# Altium PCB Zenit Stand PCB_3.PcbDoc (part 2 of 2)
Units mm, origin at the board's own origin, x right, y up, seen from the top; angles counter-clockwise.
Board outline 134.2 x 91.97 mm, 2 copper layers (Top Layer, Bottom Layer); 137 components, 111 nets, 457 pads, 78 vias.
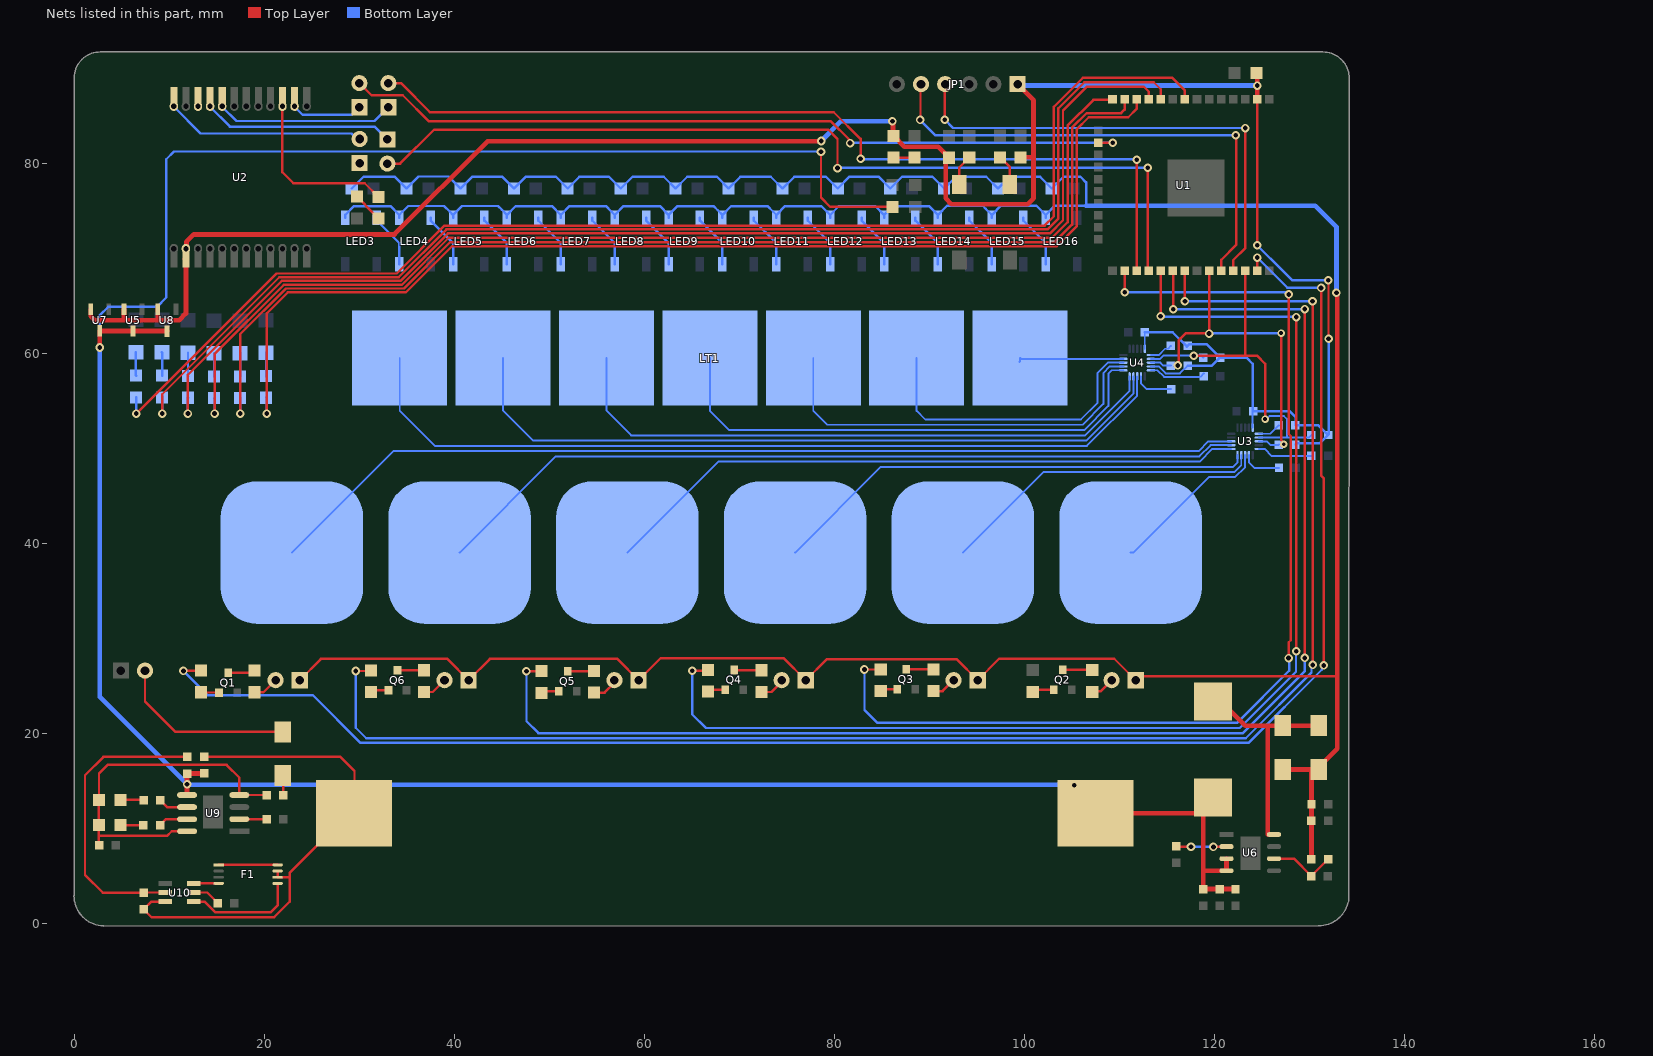
[diagram p2: the nets of this part, all layers, seen from the top]

## Via types
v1: diameter 0.9, hole 0.5, Top Layer to Bottom Layer, tented both sides, 75 vias
v2: diameter 0.8, hole 0.4, Top Layer to Bottom Layer, tented both sides, 3 vias

## Nets (pads, with @x,y where several pads share a name; then routed paths per layer and width w, separated by ;. In a path a pad name is that pad's centre, name@x,y a point inside that pad or via, vN(x,y) a via of type N, cw(c..) or ccw(c..) an arc to the next point about the centre after c; other vN are vias at no path point) (continued)
LED2: R20.2 U1.26 | length 113
  Top Layer w0.254: v1(83.147,26.772) 84.843,26.772 R20.2@84.861,26.791 ; v1(110.528,66.459) 110.528,68.713 U1.26@110.515,68.726 U1.26@110.528,68.739 ; v1(127.775,27.972) 127.775,29.635 127.997,29.858 127.997,51.34 127.794,51.543 v1(127.794,66.243)
  Bottom Layer w0.254: v1(83.147,26.772) 83.147,22.511 84.504,21.153 122.347,21.153 127.851,26.657 127.851,27.896 v1(127.775,27.972) ; v1(110.528,66.459) 127.403,66.459 127.619,66.243 v1(127.794,66.243)
LED3: R22.2 U1.29 | length 129.3
  Top Layer w0.254: v1(65.03,26.638) 66.586,26.638 R22.2@66.688,26.74 ; v1(114.3,63.951) 114.329,63.979 U1.29@114.329,68.723 ; v1(128.575,28.683) 128.584,28.692 128.584,63.852 v1(128.594,63.862)
  Bottom Layer w0.254: v1(65.03,26.638) 65.03,22.054 66.469,20.615 122.634,20.615 128.556,26.537 128.556,28.664 v1(128.575,28.683) ; v1(114.3,63.951) 114.344,63.906 128.549,63.906 v1(128.594,63.862)
LED4: R34.2 U1.30 | length 148.1
  Top Layer w0.254: v1(47.581,26.581) 49.162,26.581 R34.2@49.181,26.6 ; v1(115.646,64.668) 115.646,68.675 U1.30@115.595,68.726 U1.30@115.659,68.79 ; v1(129.464,27.991) v1(129.464,64.7)
  Bottom Layer w0.254: v1(47.581,26.581) 47.581,21.33 48.833,20.077 122.966,20.077 129.464,26.575 v1(129.464,27.991) ; v1(115.646,64.668) 115.662,64.684 129.448,64.684 v1(129.464,64.7)
LED5: 1.2@31.242,26.683 U1.31 | length 167.2
  Top Layer w0.254: v1(29.623,26.613) 31.172,26.613 1.2@31.242,26.683 ; v1@116.865,65.532 U1.31@116.865,68.726 ; v1(130.289,65.513) 130.308,65.494 v1(130.308,27.254)
  Bottom Layer w0.254: v1(29.623,26.613) 29.623,20.644 30.728,19.539 123.261,19.539 130.185,26.463 130.185,27.131 v1(130.308,27.254) ; v1(116.872,65.526) 116.878,65.519 130.283,65.519 v1(130.289,65.513)
LED6: R16.2 U1.37 | length 177.8
  Top Layer w0.254: v1(11.481,26.626) 13.303,26.626 R16.2@13.341,26.664 ; v1(124.479,70.117) 124.479,68.732 U1.37@124.485,68.726 ; v1(131.197,66.929) 131.197,47.179 131.464,46.913 v1(131.464,27.203)
  Bottom Layer w0.254: v1(11.481,26.626) 14.034,24.073 25.089,24.073 30.112,19.05 123.571,19.05 131.261,26.74 131.261,26.825 131.464,27.029 v1(131.464,27.203) ; v1(124.479,70.117) 127.649,66.947 131.179,66.947 v1(131.197,66.929)
LED_Room1: R40.1 U1.8 | length 134.9
  Top Layer w0.254: v1(6.528,53.702) 21.273,68.447 33.928,68.447 38.97,73.489 102.108,73.489 103.08,74.46 103.08,85.992 106.108,89.021 115.557,89.021 116.865,87.713 U1.8@116.865,86.76
  Bottom Layer w0.254: R40.1@6.515,55.404 6.528,55.391 v1(6.528,53.702)
LED_Room2: R39.1 U1.10 | length 130.6
  Top Layer w0.254: v1(9.252,53.702) 9.252,55.734 21.565,68.047 ; 21.565,68.05 21.58,68.066 34.138,68.066 39.16,73.088 102.419,73.088 103.549,74.219 103.549,85.827 106.286,88.563 113.589,88.563 114.325,87.827 U1.10@114.325,86.76
  Bottom Layer w0.254: R39.1@9.249,55.404 9.252,55.401 v1@9.252,53.715
LED_Room3: R38.1 U1.11 | length 127.2
  Top Layer w0.254: v1(11.957,53.702) 11.957,57.795 21.828,67.666 34.321,67.666 39.312,72.657 102.654,72.657 104.038,74.041 104.038,85.598 106.553,88.113 112.535,88.113 113.055,87.592 U1.11@113.055,86.76
  Bottom Layer w0.254: v1@11.957,53.746 11.957,55.339 R38.1@11.984,55.366
LED_Room4: R37.1 U1.14 | length 119.3
  Top Layer w0.254: v1(14.764,53.702) 14.764,59.976 22.054,67.266 34.474,67.266 39.408,72.2 102.883,72.2 104.521,73.838 104.521,83.998 107.232,86.709 U1.14@109.245,86.709
  Bottom Layer w0.254: R37.1@14.718,55.327 14.764,55.282 v1@14.764,53.81
LED_Room5: R35.1 U1.13 | length 119.8
  Top Layer w0.254: v1(17.469,53.702) 17.469,62.07 22.26,66.862 34.686,66.862 39.567,71.742 103.149,71.742 104.997,73.59 104.997,83.788 106.534,85.325 110.153,85.325 110.515,85.687 U1.13@110.515,86.76
  Bottom Layer w0.254: R35.1@17.452,55.327 17.469,55.311 v1@17.469,53.759
LED_Room6: R33.1 U1.12 | length 119.6
  Top Layer w0.254: v1(20.256,53.702) 20.256,64.243 22.479,66.465 34.906,66.465 39.745,71.304 103.384,71.304 105.474,73.393 105.474,83.61 106.75,84.887 110.903,84.887 111.785,85.769 U1.12@111.785,86.76
  Bottom Layer w0.254: R33.1@20.187,55.366 20.256,55.296 v1@20.256,53.746
LinearPad1: LT1.1 U4.14 | length 11.3
  Bottom Layer w0.2: LT1.1@99.44,59.135 99.442,59.137 99.515,59.209 99.517,59.311 LT1.1@99.521,59.538 ; LT1.1@99.598,59.461 U4.14@110.395,59.461
  Bottom Layer w0.254: LT1.1@99.521,59.538 LT1.1@99.598,59.461
LinearPad2: LT1.2 U4.13 | length 32
  Bottom Layer w0.2: LT1.2@88.642,59.538 88.642,53.979 89.541,53.08 105.931,53.08 107.683,54.832 107.683,57.988 108.756,59.061 U4.13@110.395,59.061
LinearPad3: LT1.3 U4.12 | length 43.2
  Bottom Layer w0.2: LT1.3@77.762,59.538 77.762,54.013 79.25,52.525 106.1,52.525 108.287,54.712 108.287,57.969 108.979,58.661 U4.12@110.395,58.661
LinearPad4: LT1.4 U4.11 | length 54.5
  Bottom Layer w0.2: LT1.4@66.882,59.538 66.882,54.009 68.92,51.971 106.27,51.971 108.807,54.508 108.807,57.88 109.188,58.261 U4.11@110.395,58.261
LinearPad5: LT1.5 U4.10 | length 65.1
  Bottom Layer w0.2: LT1.5@56.003,59.538 56.003,53.998 58.584,51.417 106.357,51.417 111.045,56.105 U4.10@111.045,57.611
LinearPad6: LT1.6 U4.9 | length 77
  Bottom Layer w0.2: LT1.6@45.123,59.538 45.123,54.026 48.287,50.862 106.495,50.862 111.445,55.812 U4.9@111.445,57.611
LinearPad7: LT1.7 U4.8 | length 88.9
  Bottom Layer w0.2: LT1.7@34.243,59.538 34.243,54.009 37.944,50.308 106.55,50.308 111.845,55.603 U4.8@111.845,57.611
Net1_1: 1.1@31.242,24.397 Q6.1 | length 1.7
  Top Layer w0.254: 1.1@31.242,24.397 31.445,24.6 Q6.1@32.868,24.6
NetC7_2: C7.2 L2.1 L3.1 R26.2 U9.4 U9.8 | length 37.5
  Top Layer w0.254: C7.2@2.584,8.172 2.584,9.258 ; L3.1@2.584,13.043 L2.1@2.584,10.395 2.584,9.258 ; L3.1@2.597,13.056 2.597,15.824 3.512,16.739 16.021,16.739 17.364,15.396 U9.4@17.364,13.565 20.205,13.565 R26.2@20.231,13.538 ; U9.8@11.864,9.755 10.25,9.755 9.754,9.258 2.584,9.258
NetC8_1: C8.1 R27.1 U10.5 | length 31.3
  Top Layer w0.254: U10.5@9.586,3.304 7.308,3.304 C8.1@7.295,3.291 2.995,3.291 1.13,5.156 1.13,15.64 3.061,17.571 R27.1@11.874,17.571
NetC26_2: C26.2 U3.5 | length 5.9
  Bottom Layer w0.2: U3.5@124.646,49.981 125.279,49.981 126.028,49.232 130.15,49.232 C26.2@130.181,49.263
NetC27_2: C27.2 U4.5 | length 6
  Bottom Layer w0.2: U4.5@113.295,58.261 113.97,58.261 114.668,57.563 118.404,57.563 118.421,57.58 118.521,57.58 C27.2@118.866,57.925
NetF1_1: F1.1 F1.8 | length 6.2
  Top Layer w0.254: F1.1@15.188,6.217 F1.8@21.388,6.217
NetF1_4: F1.4 U10.3 | length 2.6
  Top Layer w0.254: U10.3@12.586,4.254 12.592,4.26 15.182,4.26 F1.4@15.188,4.267
NetF1_5: F1.5 U10.1 | length 11.9
  Top Layer w0.254: U10.1@12.586,2.354 13.689,2.354 14.803,1.24 20.681,1.24 21.392,1.951 21.392,4.263 F1.5@21.388,4.267
NetL1_2: L1.2 S1.1 S2.1 U6.8 | length 23.6
  Top Layer w0.254: U6.8@125.589,9.411 U6.8@126.244,9.411
  Top Layer w0.5: L1.2@120.612,23.44 123.204,20.848 125.589,20.848 ; U6.8@125.589,9.411 125.589,20.848 ; S2.1@131.015,20.848 125.589,20.848
NetL2_2: L2.2 R29.2 | length 2.4
  Top Layer w0.254: L2.2@4.87,10.395 R29.2@7.277,10.395
NetL3_2: L3.2 R30.2 | length 2.4
  Top Layer w0.254: L3.2@4.883,13.056 7.252,13.056 R30.2@7.29,13.018
NetLED1_2: LED1.2 R5.1 | length 2.2
  Top Layer w0.254: LED1.2@86.22,80.631 88.391,80.631 R5.1@88.398,80.639
NetLED2_1: LED2.1 R6.2 | length 3.3
  Top Layer w0.254: LED2.1@29.731,76.53 31.502,74.759 31.502,74.721 R6.2@32.01,74.213
NetLED3_2: LED3.2 LED4.4 | length 5.9
  Bottom Layer w0.254: LED3.2@31.819,74.312 31.819,74.012 34.188,71.643 LED4.4@34.188,69.412
NetLED4_2: LED4.2 LED5.4 | length 5.9
  Bottom Layer w0.254: LED4.2@37.488,74.312 37.488,74.012 39.857,71.643 LED5.4@39.857,69.412
NetLED5_2: LED5.2 LED6.4 | length 5.9
  Bottom Layer w0.254: LED5.2@43.157,74.312 43.157,74.012 45.526,71.643 LED6.4@45.526,69.412
NetLED6_2: LED6.2 LED7.4 | length 5.9
  Bottom Layer w0.254: LED6.2@48.826,74.312 48.826,74.012 51.195,71.643 LED7.4@51.195,69.412
NetLED7_2: LED7.2 LED8.4 | length 5.9
  Bottom Layer w0.254: LED7.2@54.495,74.312 54.495,74.012 56.865,71.643 LED8.4@56.865,69.412
NetLED8_2: LED8.2 LED9.4 | length 5.9
  Bottom Layer w0.254: LED8.2@60.165,74.312 60.165,74.012 62.534,71.643 LED9.4@62.534,69.412
NetLED9_2: LED9.2 LED10.4 | length 5.9
  Bottom Layer w0.254: LED9.2@65.834,74.312 65.834,74.012 68.203,71.643 LED10.4@68.203,69.412
NetLED10_2: LED10.2 LED11.4 | length 5.9
  Bottom Layer w0.254: LED10.2@71.503,74.312 71.503,74.012 73.872,71.643 LED11.4@73.872,69.412
NetLED11_2: LED11.2 LED12.4 | length 5.9
  Bottom Layer w0.254: LED11.2@77.172,74.312 77.172,74.012 79.541,71.643 LED12.4@79.541,69.412
NetLED12_2: LED12.2 LED13.4 | length 5.9
  Bottom Layer w0.254: LED12.2@82.841,74.312 82.841,74.012 85.21,71.643 LED13.4@85.21,69.412
NetLED13_2: LED13.2 LED14.4 | length 5.9
  Bottom Layer w0.254: LED13.2@88.51,74.312 88.51,74.012 90.88,71.643 LED14.4@90.88,69.412
NetLED14_2: LED14.2 LED15.4 | length 5.9
  Bottom Layer w0.254: LED14.2@94.18,74.312 94.18,74.012 96.549,71.643 LED15.4@96.549,69.412
NetLED15_2: LED15.2 LED16.4 | length 5.9
  Bottom Layer w0.254: LED15.2@99.849,74.312 99.849,74.012 102.218,71.643 LED16.4@102.218,69.412
NetLED17_2: KEY6.2 R15.1 | length 2.7
  Top Layer w0.254: R15.1@18.974,24.378 19.907,24.378 KEY6.2@21.177,25.648
NetLED18_2: KEY1.2 R17.1 | length 2.6
  Top Layer w0.254: R17.1@107.112,24.416 107.166,24.47 107.979,24.47 KEY1.2@109.157,25.648
NetLED19_2: KEY2.2 R19.1 | length 2.6
  Top Layer w0.254: R19.1@90.418,24.498 91.37,24.498 KEY2.2@92.52,25.648
NetLED20_2: KEY3.2 R21.1 | length 2.8
  Top Layer w0.254: R21.1@72.238,24.409 73.368,24.409 74.428,25.47 KEY3.2@74.428,25.648
NetLED21_2: KEY4.2 R32.1 | length 2.9
  Top Layer w0.254: R32.1@54.684,24.339 55.797,24.339 56.839,25.381 KEY4.2@56.839,25.648
NetLED22_1: 1.1@20.187,60.103 R33.2 | length 2.5
  Bottom Layer w0.254: R33.2@20.187,57.652 1.1@20.187,60.103
NetLED23_1: 2.1 R35.2 | length 2.5
  Bottom Layer w0.254: 2.1@17.446,60.065 17.446,57.62 R35.2@17.452,57.613
NetLED24_2: KEY5.2 R36.1 | length 2.7
  Top Layer w0.254: R36.1@36.786,24.409 37.719,24.409 KEY5.2@38.957,25.648
NetLED25_1: 3.1 R37.2 | length 2.5
  Bottom Layer w0.254: 3.1@14.705,60.065 14.718,60.052 R37.2@14.718,57.613
NetLED26_1: 4.1 R38.2 | length 2.5
  Bottom Layer w0.254: 4.1@11.965,60.103 11.965,57.671 R38.2@11.984,57.652
NetLED27_1: 5.1 R39.2 | length 2.5
  Bottom Layer w0.254: 5.1@9.224,60.141 9.249,60.116 R39.2@9.249,57.69
NetLED28_1: 6.1 R40.2 | length 2.5
  Bottom Layer w0.254: 6.1@6.483,60.141 6.483,57.721 R40.2@6.515,57.69
NetQ1_1: Q1.1 R16.1 | length 1.9
  Top Layer w0.254: R16.1@13.341,24.378 13.37,24.349 Q1.1@15.23,24.349
NetQ1_3: Q1.3 R15.2 | length 2.9
  Top Layer w0.254: Q1.3@16.18,26.449 18.76,26.449 R15.2@18.974,26.664
NetQ2_1: Q2.1 R18.1 | length 2.3
  Top Layer w0.254: R18.1@100.857,24.416 101.07,24.629 Q2.1@103.044,24.629
NetQ2_3: Q2.3 R17.2 | length 3.1
  Top Layer w0.254: Q2.3@103.994,26.729 107.085,26.729 R17.2@107.112,26.702
NetQ3_1: Q3.1 R20.1 | length 1.8
  Top Layer w0.254: R20.1@85.046,24.46 85.29,24.705 Q3.1@86.775,24.705
NetQ3_3: Q3.3 R19.2 | length 2.7
  Top Layer w0.254: Q3.3@87.725,26.805 90.397,26.805 R19.2@90.418,26.784
NetQ4_1: Q4.1 R22.1 | length 1.7
  Top Layer w0.254: R22.1@66.853,24.447 67.028,24.622 Q4.1@68.481,24.622
NetQ4_3: Q4.3 R21.2 | length 2.7
  Top Layer w0.254: Q4.3@69.52,26.71 72.224,26.71 R21.2@72.238,26.695
NetQ5_1: Q5.1 R34.1 | length 1.9
  Top Layer w0.254: R34.1@49.181,24.314 49.362,24.495 Q5.1@50.974,24.495
NetQ5_3: Q5.3 R32.2 | length 2.8
  Top Layer w0.254: Q5.3@51.924,26.595 54.654,26.595 R32.2@54.684,26.625
NetQ6_3: Q6.3 R36.2 | length 2.8
  Top Layer w0.254: Q6.3@34.011,26.691 36.781,26.691 R36.2@36.786,26.695
NetR3_1: R3.1 SW1.1 | length 3.3
  Top Layer w0.254: R3.1@97.422,80.664 98.443,79.643 SW1.1@98.443,77.815
NetR4_1: R4.1 SW2.1 | length 3.3
  Top Layer w0.254: SW2.1@93.109,77.815 93.109,79.577 R4.1@94.171,80.639
NetR6_1: R6.1 U2.B10 | length 18.1
  Top Layer w0.254: U2.B10@21.907,86.05 21.895,86.038 21.895,79.102 23.057,77.94 30.569,77.94 R6.1@32.01,76.499
NetR7_2: R7.2 U3.1 | length 2.5
  Bottom Layer w0.2: U3.1@124.646,51.581 125.863,51.581 R7.2@126.746,52.464
NetR8_1: R8.1 U4.1 | length 2.5
  Bottom Layer w0.2: U4.1@113.295,59.861 114.103,59.861 114.77,60.529 115.101,60.529 R8.1@115.392,60.82
NetR13_1: R13.1 U3.7 | length 4.2
  Bottom Layer w0.2: U3.7@123.596,49.331 123.596,48.559 124.161,47.993 R13.1@126.765,47.993
NetR14_2: R14.2 U4.7 | length 4.2
  Bottom Layer w0.2: U4.7@112.245,57.611 112.235,57.602 112.235,56.895 112.23,56.89 112.84,56.28 R14.2@115.418,56.28
NetR23_1: R23.1 R25.2 U6.6 | length 7.2
  Top Layer w0.254: U6.6@126.244,6.871 128.327,6.871 R25.2@130.162,5.036 131.61,6.483 131.61,6.502 R23.1@131.928,6.82
NetR24_2: R24.2 U6.2 | length 5.3
  Top Layer w0.254: R24.2@115.945,8.109 117.494,8.109 v1(117.507,8.122) ; v1(119.863,8.103) 119.882,8.122 121.225,8.122 U6.2@121.244,8.141
  Bottom Layer w0.254: v1(117.507,8.122) 117.516,8.112 119.853,8.112 v1(119.863,8.103)
NetR26_1: R26.1 S3.2 | length 2.1
  Top Layer w0.254: S3.2@21.927,15.613 21.984,15.556 R26.1@21.984,13.538
NetR28_2: R28.2 U9.2 | length 2.9
  Top Layer w0.254: U9.2@17.364,11.025 20.217,11.025 R28.2@20.231,11.011
NetR29_1: R29.1 U9.7 | length 3.1
  Top Layer w0.254: R29.1@9.03,10.395 9.66,11.025 U9.7@11.864,11.025
NetR30_1: R30.1 U9.6 | length 3.1
  Top Layer w0.254: R30.1@9.042,13.018 9.765,12.295 U9.6@11.864,12.295
NetR31_1: R31.1 U10.2 | length 3
  Top Layer w0.254: U10.2@12.586,3.304 13.988,3.304 14.775,2.516 R31.1@15.093,2.199
NetU2_B4: U2.B4 ZigBee3.1 | length 20.2
  Bottom Layer w0.254: U2.B4@14.287,86.05 14.287,85.986 16.377,83.896 31.604,83.896 ZigBee3.1@32.95,82.55
NetU2_B5: U2.B5 ZigBee4.1 | length 18.8
  Bottom Layer w0.254: U2.B5@15.557,86.05 15.557,85.986 17.056,84.487 31.604,84.487 ZigBee4.1@33.052,85.935
NRST: U1.16 ZigBee2.2 | length 83.6
  Top Layer w0.254: ZigBee2.2@30.004,88.475 31.274,87.205 34.563,87.205 37.313,84.455 79.621,84.455 81.506,82.57 81.506,82.293 v1(81.629,82.169) ; U1.16@107.755,82.19 107.76,82.194 v1(109.264,82.194)
  Bottom Layer w0.254: v1(81.629,82.169) 81.642,82.182 109.252,82.182 v1(109.264,82.194)
P1.1: U2.B11 ZigBee2.1 | length 7.6
  Bottom Layer w0.254: U2.B11@23.177,86.05 23.177,85.986 24.022,85.141 29.21,85.141 ZigBee2.1@30.004,85.935
RXD0: JP1.5 U1.34 | length 52.6
  Top Layer w0.254: v1(89.002,84.607) 89.043,84.649 89.043,88.319 JP1.5@89.097,88.373 ; U1.34@120.688,68.717 120.688,69.869 122.257,71.438 122.257,82.931 v1(122.206,82.982)
  Bottom Layer w0.254: v1(89.002,84.607) 90.627,82.982 v1(122.206,82.982)
RXD2: U1.27 ZigBee4.2 | length 95
  Top Layer w0.254: ZigBee4.2@33.052,88.475 34.36,88.475 37.421,85.414 79.921,85.414 82.734,82.601 v1(82.734,80.512) ; U1.27@111.785,68.726 111.804,68.745 v1(111.804,80.404)
  Bottom Layer w0.254: v1(82.734,80.512) 82.788,80.458 111.75,80.458 v1(111.804,80.404)
SCL: R9.2 R10.1 U1.36 U3.2 U4.2 | length 38.6
  Top Layer w0.254: v1@117.831,59.766 v1(117.799,59.798) 123.152,59.798 ; U1.36@123.215,68.726 123.215,59.861 123.152,59.798 ; v2(125.305,53.118) 125.301,53.121 125.301,58.944 124.447,59.798 123.152,59.798
  Bottom Layer w0.2: U4.2@113.295,59.461 114.268,59.461 114.605,59.798 v1(117.799,59.798) 118.605,59.798 R10.1@118.808,59.595 ; U3.2@124.646,51.181 127.629,51.181 ; v2(125.305,53.118) 125.442,53.118 125.772,53.448 127.279,53.448 127.629,53.099 127.629,51.181 ; R9.2@130.175,51.448 129.908,51.181 127.629,51.181
SDA: R11.2 R12.1 U1.33 U3.3 U4.3 | length 36.7
  Top Layer w0.254: v1(116.103,58.769) 116.227,58.893 116.227,61.433 116.929,62.135 119.393,62.135 v1(119.405,62.122) U1.33@119.405,68.726 ; v2(126.987,62.166) 126.987,50.898 127.273,50.612 v2(127.273,50.476)
  Bottom Layer w0.2: U4.3@113.295,59.061 114.287,59.061 114.598,58.75 R12.1@115.399,58.75 ; U3.3@124.646,50.781 125.482,50.781 125.863,50.4 126.702,50.4 R11.2@126.746,50.444
  Bottom Layer w0.254: v1(119.405,62.122) 119.428,62.144 126.965,62.144 v2(126.987,62.166)
TouchLey1: TP1.1 U3.8 | length 17
  Bottom Layer w0.2: TP1.1@111.157,39.072 111.455,39.072 119.393,47.009 122.13,47.009 123.196,48.076 U3.8@123.196,49.331
TouchLey2: TP2.1 U3.9 | length 34.2
  Bottom Layer w0.2: TP2.1@93.505,39.072 101.97,47.536 122.072,47.536 122.796,48.26 U3.9@122.796,49.331
TouchLey3: TP3.1 U3.10 | length 51.3
  Bottom Layer w0.2: TP3.1@75.853,39.072 84.872,48.09 121.954,48.09 122.396,48.533 U3.10@122.396,49.331
TouchLey4: TP4.1 U3.11 | length 68.1
  Bottom Layer w0.2: TP4.1@58.202,39.072 67.775,48.645 118.425,48.645 119.761,49.981 U3.11@121.746,49.981
TouchLey5: TP5.1 U3.12 | length 85.9
  Bottom Layer w0.2: TP5.1@40.55,39.072 50.677,49.199 118.395,49.199 119.577,50.381 U3.12@121.746,50.381
TouchLey6: TP6.1 U3.13 | length 103.7
  Bottom Layer w0.2: TP6.1@22.898,39.072 33.58,49.754 118.314,49.754 119.342,50.781 U3.13@121.746,50.781
TXD0: JP1.4 U1.35 | length 51.3
  Top Layer w0.254: v1(91.592,84.633) 91.615,84.655 91.615,88.351 JP1.4@91.637,88.373 ; U1.35@121.958,68.717 121.958,69.856 123.228,71.126 123.228,83.725 v1(123.203,83.75)
  Bottom Layer w0.254: v1(91.592,84.633) 92.475,83.75 v1(123.203,83.75)
TXD2: U1.28 ZigBee3.2 | length 95.8
  Top Layer w0.254: ZigBee3.2@32.95,80.01 34.284,80.01 37.846,83.572 79.35,83.572 80.308,82.614 v1(80.308,79.54) ; v1(112.96,79.566) 112.96,68.821 U1.28@113.055,68.726
  Bottom Layer w0.254: v1(80.308,79.54) 80.321,79.553 112.947,79.553 v1(112.96,79.566)
Vbat+: BAT1.1 C2.2 C3.2 C6.2 C9.2 L1.1 R27.2 R80.2 U5.3 U6.3 U6.4 U7.3 U8.3 U9.5 | length 292.6
  Top Layer w0.254: v1(78.575,81.242) 78.575,76.435 79.553,75.457 R80.2@86.1,75.457
  Top Layer w0.5: v1(2.667,60.655) 2.686,60.674 U7.3@2.686,62.401 U8.3@9.743,62.401 ; U9.5@11.864,13.565 v1(11.864,14.686) 11.864,15.807 R27.2@11.874,15.818 13.646,15.818 C6.2@13.684,15.856 ; BAT1.1@107.457,11.655 118.941,11.655 L1.1@120.612,13.326 ; L1.1@118.802,11.517 118.802,5.601 ; U6.3@121.244,6.871 U6.4@121.244,5.601 118.802,5.601 ; C9.2@122.187,3.664 C3.2@120.523,3.664 C2.2@118.802,3.664 118.802,5.601
  Bottom Layer w0.254: v1(2.667,60.655) 2.667,64.027 3.569,64.929 8.687,64.929 9.677,65.919 9.677,80.461 10.497,81.28 78.537,81.28 v1(78.575,81.242)
  Bottom Layer w0.5: v1(2.667,60.655) 2.667,23.883 v1(11.864,14.686) 11.908,14.642 105.188,14.642 v1(105.232,14.599)
Vbat-: BAT1.2 C6.1 C8.2 F1.6 F1.7 U10.6 | length 54.2
  Top Layer w0.254: U10.6@9.586,2.354 8.11,2.354 C8.2@7.295,1.538 8.133,0.7 21.024,0.7 22.656,2.332 22.656,4.908 ; C6.1@13.684,17.609 27.972,17.609 29.489,16.091 29.489,11.688 BAT1.2@29.457,11.655 28.957,11.655 22.656,5.354 22.656,4.908 ; F1.7@21.388,5.567 F1.6@21.388,4.917 21.397,4.908 22.656,4.908
VDD-3.3: C1.1 C24.2 C25.2 JP1.1 LED1.1 R1.2 R2.2 R7.1 R8.2 R9.1 R10.2 R11.1 R12.2 U1.2 U2.A2 U3.20 U4.4 U4.20 U5.2 U7.2 U8.2 | length 248.3
  Top Layer w0.254: v1(124.485,71.406) 124.485,85.262 U1.2@124.485,86.76 ; v1(131.959,67.742) 131.972,67.729 131.972,61.601 v1(131.985,61.589)
  Top Layer w0.5: U7.2@1.736,64.687 1.736,63.935 2.152,63.519 5.235,63.519 ; U5.2@5.235,64.681 5.235,63.519 ; U8.2@8.793,64.888 U8.2@8.793,64.662 8.793,63.519 ; U2.A2@11.64,69.963 U2.A2@11.751,70.074 ; U2.A2@11.747,71.055 11.795,71.104 11.795,71.759 12.592,72.555 33.687,72.555 43.485,82.353 78.562,82.353 v1(78.594,82.385) ; U2.A2@11.751,69.963 11.751,64.24 11.03,63.519 9.743,63.519 8.793,63.519 ; v1(86.093,84.461) 86.157,84.398 86.157,82.981 LED1.1@86.22,82.917 87.356,81.782 90.888,81.782 R2.2@92.043,80.626 91.688,80.271 91.688,76.352 92.304,75.736 100.305,75.736 100.946,76.378 100.946,86.684 JP1.1@99.257,88.373 ; R1.2@99.568,80.664 100.946,80.664 ; U1.2@124.479,86.77 v1(124.479,88.221) 124.479,89.643 C1.1@124.523,89.687 ; 5.235,63.519 8.793,63.519
  Bottom Layer w0.2: U4.20@112.645,60.511 112.645,62.232 C25.2@112.655,62.243 ; U4.4@113.295,58.661 114.097,58.661 114.827,57.931 116.332,57.931 R12.2@117.151,58.75 ; U3.20@123.996,52.231 123.996,53.918 C24.2@124.047,53.969
  Bottom Layer w0.254: JP1.1@99.257,88.373 JP1.1@99.409,88.221 ; C25.2@112.655,62.243 115.589,62.243 R8.2@117.078,60.754 ; R8.2@117.145,60.82 117.303,60.979 119.177,60.979 R10.2@120.561,59.595 ; R12.2@117.151,58.75 119.716,58.75 R10.2@120.561,59.595 ; C24.2@123.996,53.918 123.996,58.941 123.342,59.595 R10.2@120.561,59.595 ; C24.2@124.047,53.969 127.87,53.969 128.499,53.34 R7.1@128.499,52.464 130.912,52.464 R9.1@131.928,51.448 ; v1(124.485,71.406) 127.178,68.713 128.149,67.742 v1(131.959,67.742) ; R11.1@128.499,50.444 128.651,50.597 131.077,50.597 R9.1@131.928,51.448 ; v1(131.985,61.589) 131.985,51.505 R9.1@131.928,51.448
  Bottom Layer w0.5: v1(78.594,82.385) 80.67,84.461 v1(86.093,84.461) ; JP1.1@99.409,88.221 v1(124.479,88.221)
VDD-5: C4.2 C5.2 C10.2 C11.2 C12.2 C13.2 C14.2 C15.2 C16.2 C17.2 C18.2 C19.2 C20.2 C21.2 C22.2 C23.2 KEY1.1 KEY2.1 KEY3.1 KEY4.1 KEY5.1 KEY6.1 LED3.1 LED4.1 LED5.1 LED6.1 LED7.1 LED8.1 LED9.1 LED10.1 LED11.1 LED12.1 LED13.1 LED14.1 LED15.1 LED16.1 R23.2 S1.2 S2.2 | length 402.8
  Top Layer w0.254: KEY6.1@23.717,25.648 25.952,27.883 39.262,27.883 KEY5.1@41.497,25.648 43.732,27.883 57.144,27.883 KEY4.1@59.379,25.648 61.703,27.972 74.644,27.972 KEY3.1@76.968,25.648 79.153,27.832 92.875,27.832 KEY2.1@95.059,25.648 97.32,27.908 109.436,27.908 KEY1.1@111.697,25.648 112.122,26.073 132.886,26.073
  Top Layer w0.5: S1.2@127.978,16.248 S2.2@130.156,16.248 ; R23.2@130.175,6.82 C4.2@130.175,10.852 130.175,16.229 S2.2@130.156,16.248 ; v1(132.81,66.408) 132.886,66.332 132.886,26.073 132.886,18.436 131.151,16.7 131.151,16.248 S2.2@130.156,16.248
  Bottom Layer w0.254: LED3.1@28.519,74.312 28.519,74.612 29.434,75.527 33.273,75.527 LED4.1@34.188,74.612 ; C10.2@29.197,77.387 30.455,78.645 33.706,78.645 C15.2@34.963,77.387 36.227,78.651 39.364,78.651 C16.2@40.627,77.387 41.885,78.645 45.015,78.645 C17.2@46.272,77.387 47.53,78.645 50.66,78.645 C18.2@51.918,77.387 53.149,78.619 56.267,78.619 C19.2@57.499,77.387 58.737,78.626 62.033,78.626 C20.2@63.271,77.387 64.503,78.619 67.621,78.619 C21.2@68.853,77.387 70.091,78.626 73.292,78.626 C22.2@74.53,77.387 75.768,78.626 79.102,78.626 C23.2@80.34,77.387 81.585,78.632 84.614,78.632 C11.2@85.858,77.387 87.097,78.626 90.297,78.626 C12.2@91.535,77.387 92.773,78.626 95.955,78.626 C13.2@97.193,77.387 98.425,78.619 101.625,78.619 C14.2@102.857,77.387 104.115,78.645 105.855,78.645 106.464,78.035 106.464,75.584 103.19,75.584 LED16.1@102.218,74.612 ; LED4.1@34.188,74.312 LED4.1@34.188,74.612 ; LED5.1@39.857,74.312 LED5.1@39.857,74.612 ; LED6.1@45.526,74.312 LED6.1@45.526,74.612 ; LED7.1@51.195,74.312 LED7.1@51.195,74.612 ; LED8.1@56.865,74.312 56.865,74.612 57.78,75.527 61.619,75.527 LED9.1@62.534,74.612 ; LED8.1@56.864,74.612 56.542,74.935 55.937,75.54 52.123,75.54 51.265,74.681 51.126,74.681 50.268,75.54 46.454,75.54 LED6.1@45.526,74.612 ; LED9.1@62.534,74.312 LED9.1@62.534,74.612 ; LED10.1@68.203,74.312 LED10.1@68.203,74.612 ; LED11.1@73.872,74.312 LED11.1@73.872,74.612 ; LED12.1@79.541,74.312 LED12.1@79.541,74.612 ; LED12.1@79.541,74.592 LED12.1@79.541,74.612 ; LED13.1@85.21,74.312 LED13.1@85.21,74.612 ; LED14.1@90.88,74.312 LED14.1@90.88,74.612 ; LED15.1@96.549,74.312 LED15.1@96.549,74.612 ; LED16.1@102.218,74.312 LED16.1@102.218,74.612 ; LED4.1@34.188,74.612 34.511,74.935 34.523,74.935 35.135,75.546 38.915,75.546 39.527,74.935 39.534,74.935 LED5.1@39.857,74.612 ; LED5.1@39.857,74.612 40.791,75.546 44.59,75.546 44.99,75.146 44.992,75.146 LED6.1@45.526,74.612 ; LED9.1@62.534,74.612 63.462,75.54 67.275,75.54 67.713,75.101 LED10.1@68.203,74.612 ; LED10.1@68.203,74.612 69.131,75.54 72.955,75.54 73.549,74.946 73.549,74.935 73.861,74.623 73.872,74.623 LED11.1@73.872,74.612 ; LED11.1@73.872,74.612 74.787,75.527 78.607,75.527 79.199,74.935 79.218,74.935 LED12.1@79.541,74.612 ; LED12.1@79.541,74.612 80.444,75.514 84.308,75.514 LED13.1@85.21,74.612 ; LED13.1@85.21,74.612 86.138,75.54 89.952,75.54 LED14.1@90.88,74.612 ; LED14.1@90.88,74.612 91.833,75.565 95.596,75.565 95.914,75.247 96.488,74.673 96.549,74.673 LED15.1@96.549,74.612 ; LED15.1@96.549,74.612 97.527,75.59 101.219,75.59 101.875,74.935 101.895,74.935 LED16.1@102.218,74.612
  Bottom Layer w0.5: 106.464,75.584 130.569,75.584 132.81,73.343 v1(132.81,66.408)
Vin: S3.1 WireLess_Power_IN1.2 | length 19.1
  Top Layer w0.254: WireLess_Power_IN1.2@7.442,26.657 7.442,23.419 10.648,20.213 S3.1@21.927,20.213
"Zigbee Reset": ZigBee1.1
"Zigbee Reset in": U2.B1 ZigBee1.2 | length 21
  Bottom Layer w0.254: U2.B1@10.477,86.05 10.477,85.986 13.291,83.172 29.151,83.172 29.729,82.594 ZigBee1.2@30.023,82.594
"Zigbee Sleep": U2.B3
pads on no net: LED16.2 U1.4 U1.5 U1.6 U1.7 U1.17 U1.18 U1.19 U1.20 U1.21 U1.22 U1.32 U2.A3 U2.A4 U2.A5 U2.A6 U2.A7 U2.A8 U2.A9 U2.A10 U2.A11 U2.A12 U2.B2 U2.B6 U2.B7 U2.B8 U2.B9 U2.B12 U3.14 U3.15 U3.16 U3.17 U3.18 U3.19 U4.15 U4.16 U4.17 U4.18 U4.19 U6.7 U10.4

## Keep-outs
Keep-Out Layer:
  lines w0.254: 0.095,2.972 ccw(c3.165,2.988) 3.181,-0.083 ; 0.116,2.813 0.127,89.148 ; 0.121,89.059 cw(c2.708,89.037) 2.73,91.624 ; 2.718,91.624 131.388,91.624 cw(c131.388,88.971) 134.041,88.971 133.991,2.889 ; 3.118,-0.091 130.924,-0.07 ; 130.943,-0.07 ccw(c130.947,2.981) 133.998,2.978

## Other copper
Top Layer:
  region net Vbat+: 118.914,9.884 120.809,11.779 118.927,11.779 118.872,11.724
  region net Vbat+: 117.086,11.632 118.872,13.418 118.872,11.724 118.941,11.655
  region net Vbat+: 117.255,11.634 118.941,11.655 118.941,9.661
  region net GND: 15.145,8.286 16.527,9.642 16.527,9.863 15.145,11.246

## Silkscreen, mask and mechanical layers (free items; w line width, h text height)
Top Overlay:
  text "GND RXD TXD IO0 EN  3.3V" at 100.478,90.938 h1.3 r180
  text "GND" at 3.658,29.886 h1.3
  text "VIN" at 6.814,29.883 h1.3
Bottom Overlay:
  lines w0.254: 160.738,8.566 160.776,8.528 ; 162.42,-8.592 162.439,-8.572
  text "ROOM LED :" at 21.33,66.97 h1.3

## Text inside footprints (layer, text, board x,y; h text height)
U1: Mechanical 4 "ANTENNA" at 128.898,83.468 h1.3 r270; Mechanical 4 "ANTENNA" at 128.898,83.468 h1.3 r270